# KiCad board JumperlessV5r8.kicad_pcb (continued)
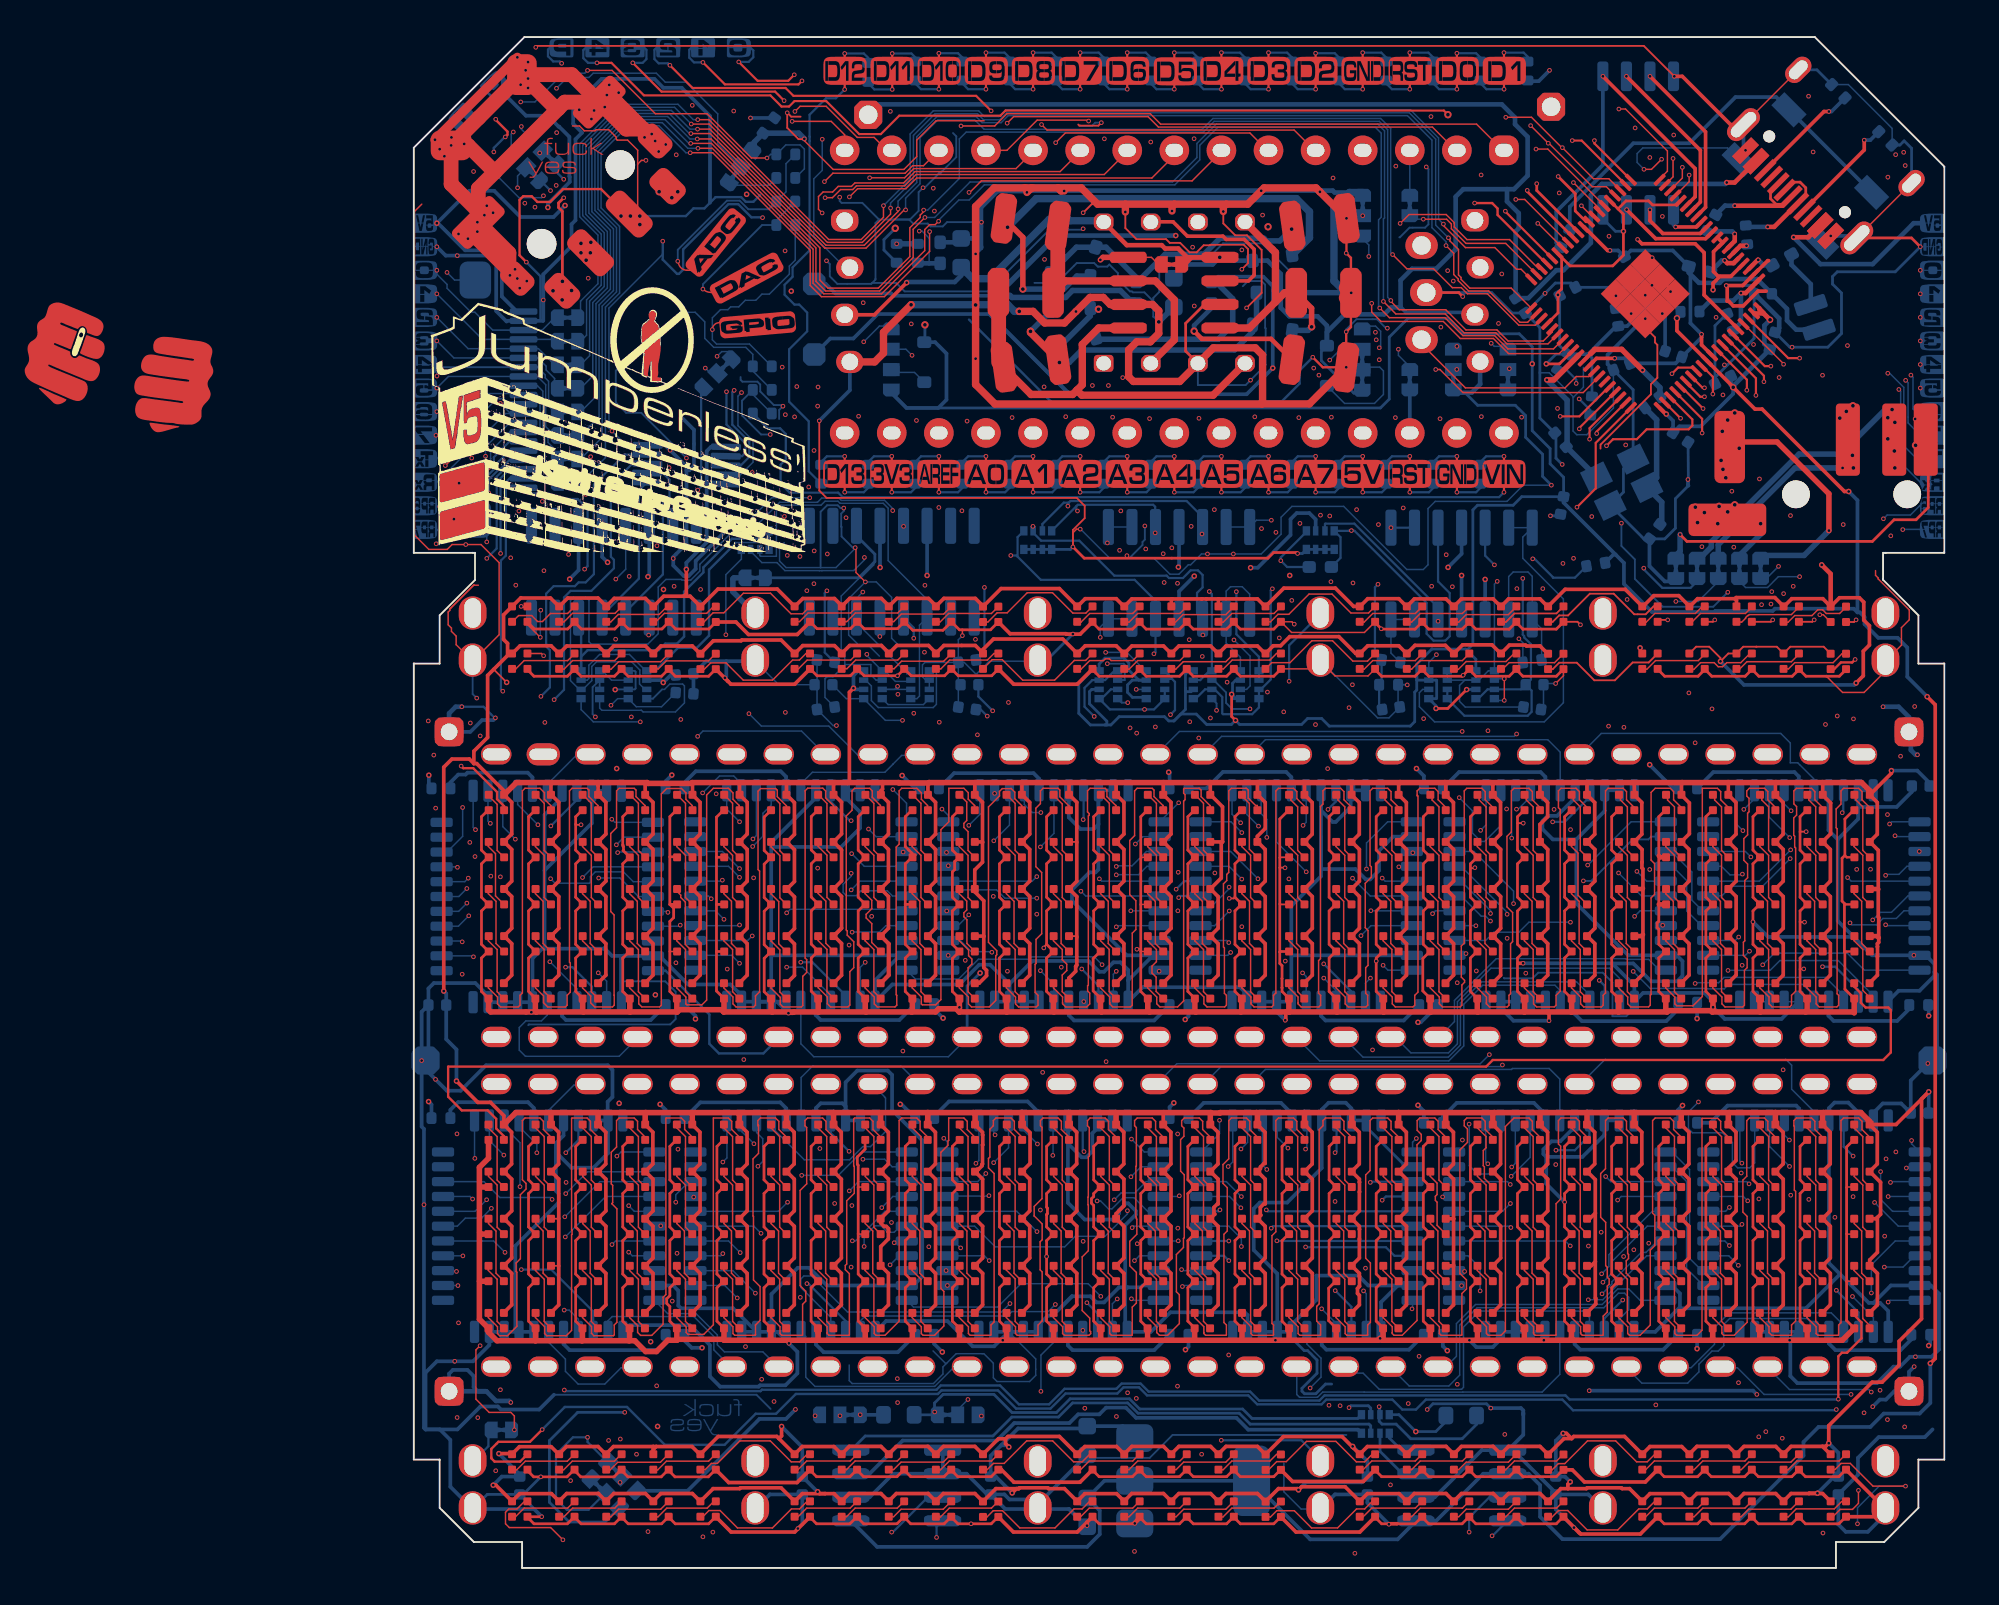
[diagram p0: board, top side]
## Routing (per net, layer and track width the routed paths; a pad name or vN(x,y) marks a point on that pad's centre or on a via; arc(x,y) is an arc through that point) (continued)
  Top w0.4: 43.81,73.54 44.98,73.54 v1(45.71,74.26) 45.86,74.42 48.66,74.42 v1(48.87,74.21) v1(50.31,72.78) ; 43.81,73.54 41.02,73.54 ; 43.81,73.54 43.66,73.39 v1(43.66,73.14) ; 33.35,74.42 33.31,74.42 v1(33.07,74.18) ; 33.35,74.42 32.96,74.42 ; 33.35,74.42 34.75,74.42 ; 41.02,73.54 38.38,73.54 ; 41.02,73.54 40.9,73.42 v1(40.9,73.17) ; 38.38,73.54 36.88,73.54 36,74.42 34.75,74.42 ; 38.38,73.54 v1(38.38,73.12) ; U9.3 37.56,68.13 37.19,68.51 36.47,68.51 v1(35.71,67.75) 35.1,67.13 34.03,67.13 33.4,67.76 v3(32.66,67.76) ; U9.3 39.84,68.13 40.18,67.79 40.18,66.57 39.73,66.12 38.99,66.12 38.56,65.68 38.56,64.24 38.81,63.98 41.32,63.98 U1.3 43.13,65.79 45.39,65.79 45.78,65.4 45.78,62.81 45.75,62.77 ; U9.3 38.21,68.13 38.2,68.12 ; C6.1 48.3,62.77 45.75,62.77 ; v1(35.08,74.25) 34.91,74.25 34.75,74.42 ; 32.96,74.42 32.97,74.43 ; 32.96,74.42 31.31,74.42 30.3,73.41 v3(30.3,68.1) 30.3,63.81 31.35,62.77 45.74,62.77 45.75,62.77 ; J10.4 24.86,65.03 25.33,65.51 25.33,66.63 v3(26.82,68.11)
  Top w0.8: 50.29,68.49 v1(50.56,68.76) 50.29,69.03
  In1.Cu w0.08: v1(62.93,50.86) 56.92,50.86 56.46,51.32 54.91,51.32 54.02,50.42 48.47,50.42 48,50.89 v1(47.49,50.89) ; v1(54.61,75.55) 54.45,75.39 21.93,75.39 21.07,76.25 v1(21.07,77.07) 21.06,77.07 20.32,76.32 16.37,76.32 15.79,75.75 12.97,75.75 12.85,75.87 12.55,75.87 v1(12.52,75.9) ; v1(20.04,46.13) 20.75,45.42 v1(22.8,45.42) ; v1(50.63,47.62) 50.17,47.62 48.9,48.9 ; v3(11.68,72.9) 10.49,72.9 10.06,72.47 9.6,72.47 7.52,70.39 2.1,70.39 v1(1.24,71.24) ; v1(29.59,50.27) 30.09,50.27 v1(30.29,50.07) ; v1(29.56,57.01) 29.56,57.06 29.44,57.18 v1(28.32,57.18) ; v1(23.81,55.02) 23.85,55.02 23.87,55.03 23.87,55.04 24.19,55.36 35.25,55.36 v1(35.55,55.06) ; v1(61.59,47.69) 59.73,47.69 v1(58.82,46.78) ; v1(6.82,50.18) 5.78,50.18 5.53,49.93 4.82,49.93 4.82,49.99 4.67,50.14 4.42,50.14 3.18,48.9 3.35,48.72 37.04,48.72 37.2,48.56 79.04,48.56 79.38,48.9
  In1.Cu w0.1: v1(37.41,48.76) 37.4,48.76 37.2,48.56 ; 3.18,48.9 5.12,50.84 10.84,50.84 ; 73.99,6.28 73.99,6.81 v1(73.81,6.99) ; 73.99,6.28 66.07,6.28 65.48,6.87 63.72,6.87 63.11,6.26 50.29,6.26 49.75,6.8 48.06,6.8 47.4,6.13 v1(42.49,6.13) ; 73.99,6.28 77.62,6.28 78.46,7.12 80.34,7.12 80.67,6.79 80.67,5.27 79.38,3.97 79.38,3.18 ; 75.81,51.12 73.5,51.12 ; 75.81,51.12 v1(77.79,51.12) 78.2,51.12 79.38,49.94 79.38,48.9 ; 75.81,51.12 v1(75.53,51.12) ; 73.5,51.12 v1(73.3,51.12) ; 73.5,51.12 70.37,51.12 ; 28.02,72.75 28.16,72.9 28.42,72.9 28.57,72.75 30.43,72.75 v1(30.62,72.57) 31.24,71.95 34.97,71.95 v1(36.1,73.08) ; 28.02,72.75 28.02,73.16 28.03,73.17 v1(28.08,73.17) ; 28.02,72.75 27.74,72.47 27.38,72.47 27.14,72.71 25.76,72.71 24.75,71.71 21.98,71.71 21.1,72.58 19.04,72.58 v1(18.81,72.81) ; v1(41.23,37.51) 42.72,37.51 42.95,37.74 43.33,37.74 43.41,37.66 45.85,37.66 46.2,37.31 46.23,37.31 46.67,36.87 47.39,36.87 47.52,37 47.63,37 47.63,37.11 v1(46.99,37.75) ; v1(3.39,46.91) 4.23,46.91 5.25,45.89 v1(9.8,45.89) 14.27,45.89 v1(14.4,45.75) ; v1(38.51,46.66) 38.7,46.85 42.69,46.85 v1(43.3,46.24) 43.37,46.32 v1(45.1,46.32) 46.32,46.32 48.9,48.9 ; 10.84,50.84 10.84,50.13 v1(10.89,50.08) ; 10.84,50.84 11.24,51.25 15.99,51.25 16.4,50.84 17.06,50.84 17.52,50.39 24.17,50.39 24.32,50.54 32.22,50.54 32.4,50.36 v1(35.55,50.36) ; v1(70.17,51.12) 70.37,51.12 ; 70.37,51.12 v1(67.63,51.12) ; v1(54.86,78.26) 54.48,78.65 37.57,78.65 37.47,78.75 31.45,78.75 31.37,78.82 25.98,78.82 v1(25.7,78.54) ; v1(66.79,70.65) 66.51,70.94 65.34,70.94 v1(64.47,71.81) 65.53,72.88 v1(67.35,72.88) ; 65,50.15 65,50.47 65.5,50.97 ; v1(19.91,62.65) 19.73,62.46 19.73,61.87 19.8,61.79 21.8,61.79 v1(21.87,61.86)
  In1.Cu w0.13: v3(11.18,72.9) 11.13,72.95 10.57,72.95 10.09,72.47 6.06,72.47 v1(3.22,75.3)
  In1.Cu w0.15: 11.94,6.26 12.01,6.18 v1(12.01,6.13) ; 11.94,6.26 16.87,6.26 17.48,6.87 19.18,6.87 19.83,6.21 32.36,6.21 32.97,6.81 34.44,6.81 35.15,6.1 42.47,6.1 v1(42.49,6.13) ; 11.94,6.26 10.13,6.26 9.8,6.59 4.55,6.59 3.81,7.32 2.57,7.32 1.88,6.64 1.88,4.45 3.16,3.18 3.18,3.18 ; 64.14,3.18 55.79,3.18 53.77,5.19 51.44,5.19 50.85,4.6 48.23,4.6 47.93,4.91 34.42,4.91 34.15,4.64 18.07,4.64 17.8,4.91 v1(6.85,4.91) 7.05,4.71 v1(8.46,4.71) ; v1(70.79,69.15) 70.23,68.59 68.02,68.59 v1(67.78,68.83) ; J1.2 50.58,68.77 v1(50.56,68.76)
  In1.Cu w0.2: v1(49.96,8.75) 50.42,9.2 52.43,9.2 53.09,8.54 v1(54.66,8.54) ; v1(67.63,51.12) 65.65,51.12 65.5,50.97 ; 65,50.15 65,49.76 64.14,48.9
  In1.Cu w0.25: 3.18,3.18 79.38,3.18
  In2.Cu w0.08: v1(67.3,75.96) 67.3,75.56 67.3,75.56 ; v1(3.22,75.3) 1.75,73.83 1.75,71.75 v1(1.24,71.24) 1.24,70.57 1.57,70.24 1.55,70.21 1.55,59.87 1.35,59.67 1.35,59.04 1.57,58.81 1.8,58.81 ; v1(29.59,50.27) 29.59,56.98 v1(29.57,57.01) ; 1.8,58.81 1.83,58.78 ; 1.8,58.81 2.51,58.81 2.74,58.58 2.74,58.33 2.51,58.1 2.24,58.1 1.85,57.72 1.85,56.8 1.73,56.67 1.73,56.22 1.85,56.09 2.29,56.09 2.69,56.5 2.69,57.28 3.13,57.72 3.13,59.37 2.59,59.9 2.59,70.57 3.4,71.38 3.4,71.64 2.95,72.09 2.95,73.06 4.32,74.43 v1(4.32,76.35) ; v1(47.49,50.89) 48.9,49.49 48.9,48.9 ; 79.38,48.9 79.38,47.58 78.84,47.05 78.84,45.4 79.45,44.79 79.45,44.77 80.92,43.3 80.92,40.88 ; 67.34,25.31 67,25.65 67,26.72 67.02,26.74 ; v3(12.19,72.9) 12.19,72.78 v1(13.43,71.54)
  In2.Cu w0.1: v1(62.93,50.86) 64.14,49.65 64.14,48.9 ; 53.38,64 53.38,65.94 53.31,66.01 53.31,67.48 J1.2 53.36,70.03 53.36,72.31 54.13,73.08 54.13,75.06 v1(54.61,75.55) 54.86,75.8 v1(54.86,78.26) ; 73.92,58.88 73.65,58.6 73.65,57.35 v1(74.25,56.75) 74.13,56.62 74.13,52.78 74.38,52.53 74.38,51.77 73.94,51.77 v1(73.3,51.12) ; v1(3.39,46.91) 2.87,46.38 2.87,44.41 2.18,43.72 2.11,43.72 ; v1(42.09,77.07) 41.79,77.37 40.23,77.37 v1(39.75,76.89) 39.28,77.37 37.55,77.37 v1(37.25,77.07) 37.08,77.23 v1(37.08,77.93) ; 67.02,26.74 67.31,27.03 68.57,27.03 69.12,27.58 69.12,28.87 70.08,29.83 v1(70.08,30.23)
  In2.Cu w0.13: v1(4.42,78.12) 4.42,78.06 4.39,78.06 ; 39.68,64.19 v1(39.68,61.98) 39.68,60.84 39.84,60.68 39.84,60.21 39.84,60.21 39.84,57.22 39.84,57.22 39.84,56.59 38.72,55.48 38.72,48.03 38.47,47.78 38.51,47.74 v1(38.51,46.66) ; v1(3.22,75.3) 3.22,75.8 3.25,75.83 3.25,77.84 4.1,77.84 4.32,78.06 5.26,78.06 6.58,79.38 v1(6.58,82)
  In2.Cu w0.15: v1(61.31,56.74) 61.94,57.37 v1(61.94,59.5) 61.36,58.92 v1(61.36,58.39) ; J9.4 57.52,66.12 v1(58.51,67.11) 58.61,67.21 58.61,68.4 58.38,68.63 56.65,68.63 v1(56.58,68.56) ; v1(35.55,55.06) v1(35.55,50.36)
  In2.Cu w0.2: v1(74.21,12.28) 74.21,9.9 73.66,9.35 v1(72.44,9.35) ; v1(60.95,12.28) 61.62,11.61 61.62,10.07 62.13,9.56 v1(63.4,9.56) ; 0.89,12.73 1.18,13.02 v1(1.18,40.97) 1.18,43.34 0.91,43.34 0.28,43.97 0.38,44.08 0.38,45.7 1.18,46.5 1.18,46.9 3.18,48.9 ; v1(67.99,80.43) 67.3,79.75 67.3,69.31 v1(67.78,68.83) 67.76,68.8 67.76,67.24 68.72,66.27 v1(68.72,58.69) 67.63,57.6 v1(67.63,51.12) ; 79.38,48.9 79.38,47.71 80.63,46.45 v1(80.95,46.45) 81.44,46.45 82.11,45.79 82.11,44.98 82.16,44.92 82.16,7.04 79.38,4.25 79.38,3.18 ; 6.99,52.89 6.81,52.72 6.81,50.19 v1(6.82,50.18) ; 3.18,3.18 2.25,4.11
  In2.Cu w0.3: 21.63,73.7 21.63,76.51 v1(21.07,77.07)
  In2.Cu w0.4: v1(38.38,73.12) 38.38,73.24 38.33,73.29 38.33,73.87 ; v1(37.25,77.07) 37.25,74.08 37.03,73.87 ; 38.33,73.87 41.33,73.87 ; 38.33,73.87 37.03,73.87 ; 41.33,73.87 40.9,73.44 v1(40.9,73.17) ; 41.33,73.87 43.66,73.87 ; v1(43.66,73.14) 43.66,73.87 ; 43.66,73.87 48.01,73.87 49.94,71.94 49.94,69.38 v1(50.56,68.76) ; 37.03,73.87 36.02,73.87 ; U1.3 41.52,64.19 v1(38.24,64.19) 36.04,64.19 35.54,63.69 v1(34,63.69) 30.71,63.69 30.3,64.09 v3(30.3,68.1) 30.3,69.27 30.45,69.43 30.45,72.33 31.99,73.87 36.02,73.87 ; 36.02,73.87 35.46,73.87 v1(35.08,74.25)
  Bottom w0.08: 46.93,5.66 46.93,4.11 47.86,3.18 48.9,3.18 ; D70.21 D70.18 ; v1(61.59,47.69) 61,47.69 C24.2 60.93,46.42 C23.2 ; 33.66,48.9 31.04,48.9 30.37,48.23 30.29,48.23 29.69,48.83 C45.2 ; v1(23.81,55.02) 23.82,55 23.82,55 22.77,53.94 20.08,53.94 19.73,54.3 19.73,55.03 19.98,55.29 ; v1(13.43,71.54) 13.43,70.84 10.53,67.94 10.53,61.47 v1(10.69,61.3) 11.46,60.54 U1806.10 ; R28.2 77.37,79.99 79.74,77.63 R25.2 ; C45.2 C42.2 ; C45.2 29.37,50.05 v1(29.59,50.27) ; C45.2 27.57,48.83 27.43,48.7 27.43,48.06 27.61,47.88 RN19.2 RN19.3 ; RN6.4 58.38,46.78 v1(58.82,46.78) ; I1.43 37.73,42.28 ; C1807.2 19.68,47.62 18.42,48.9 ; 38.62,54.47 39.89,54.47 40.78,53.59 41.27,53.59 41.77,54.09 41.9,54.09 42.49,54.68 v1(42.81,54.68) v1(44.21,54.68) 45.71,54.68 46.78,55.75 46.78,56.66 47.36,57.24 50.16,57.24 53.56,53.84 54.45,53.84 54.7,54.09 54.7,57.12 55.09,57.51 58.97,57.51 59.84,58.39 v1(61.36,58.39) ; 38.62,54.47 37.51,54.47 35.97,56.02 v1(35.94,56.02) ; 38.62,54.47 38.58,54.47 v1(38.47,54.59) ; v1(6.85,51.65) 6.82,51.62 v1(6.82,50.18) ; 62.55,63.14 63.09,63.67 63.09,64.74 ; 62.55,63.14 61.24,64.45 60.74,64.45 ; 62.55,63.14 62.53,63.11 62.53,61.31 62.72,61.11 63.27,61.11 64.7,62.54 C41.2 ; 25.11,49.17 24.5,49.78 23.99,49.78 23.46,50.31 23.46,52.27 v1(24.36,53.17) 24.94,53.17 25.77,52.34 25.77,50.13 26.13,49.78 ; v1(58.82,47.95) 58.34,47.95 58.31,47.92 ; 28.73,11.03 28.54,10.84 28.54,10.45 28.03,9.94 23.65,9.94 23.49,10.1 23.49,10.94 ; 28.73,11.03 29.25,11.55 30.75,11.55 31.26,11.04 31.26,10.25 31.46,10.05 33.21,10.05 33.54,10.38 33.54,11.27 J6.20 ; 28.73,11.03 28.68,11.03 28.01,11.7 ; v1(22.8,45.42) 22.61,45.42 C1806.2 C44.2 ; JP13.1 67.64,53.2 ; SW1.1 70.85,76.57 66.29,76.57 65.98,76.27 65.98,75.79 v1(66.35,75.42) ; 48.9,48.9 48.93,48.9 51.99,45.84 52.6,45.84 C46.2 53.09,46.51 R82.2
  Bottom w0.1: v1(37.08,77.93) 36.75,77.93 36.58,77.76 35.99,77.76 35.97,77.78 ; 33.48,69.29 34.69,69.29 35.76,70.36 36.7,70.36 36.89,70.17 37.41,70.17 37.52,70.28 37.98,69.82 37.98,69.48 38.63,68.83 38.74,68.83 38.79,68.78 39.41,68.78 40.06,68.13 40.06,67.31 v3(40.18,67.19) 39.9,67.47 39.89,67.47 39.89,68.48 40.21,68.8 40.21,69.87 40.55,70.21 41.17,70.21 41.5,70.55 42.77,70.55 43.65,71.43 45.74,71.43 47.61,69.56 D68.1 ; v1(45.1,46.32) 44.14,46.32 43.81,46.65 43.81,47.21 43.15,47.88 RN17.2 ; 21.94,53.94 21.94,56.95 22.29,57.3 22.87,57.3 23.02,57.15 v1(23.19,57.15) 23.19,56.99 23.05,56.85 23.05,56.15 23.07,56.13 23.07,55.62 23.68,55.02 v1(23.81,55.02) ; 44.71,69.12 44.99,69.39 45.72,69.39 45.92,69.2 45.92,66.87 45.95,66.84 45.95,64.86 v1(45.13,64.05) 44.87,63.78 42.3,63.78 42.29,63.79 U1.3 ; 19.71,61.96 19.71,62.44 v1(19.91,62.65) 19.85,62.71 19.42,62.71 18.69,63.44 18.69,63.82 18.53,63.97 17.72,63.97 17.63,64.07 17.63,64.22 ; RN14.4 38.18,46.66 v1(38.51,46.66) ; v1(9.8,45.89) 9.64,46.04 9.64,47.5 RN10.2 RN10.3 ; 25.69,72.71 26.76,72.71 27.23,73.18 27.23,74.19 v1(27.47,74.43) 27.56,74.43 28.35,75.22 28.35,75.24 28.43,75.24 29.26,76.08 29.26,77.2 29.08,77.38 ; 25.69,72.71 25.09,72.71 ; 25.69,72.71 26.71,72.71 26.93,72.49 27.72,72.49 27.87,72.34 28.53,72.34 28.76,72.57 30.61,72.57 v1(30.62,72.57) 30.62,72.37 30.59,72.34 ; v1(36.1,72.21) 36.05,72.16 35.32,72.16 35.11,72.37 34.49,72.37 30.96,68.84 26.48,68.84 26.02,69.29 24.72,69.29 ; 38.62,54.47 39.3,55.16 39.3,55.32 39.43,55.45 v1(39.43,56.19) ; v1(65.14,56.34) 65.14,55.11 65.86,54.38 65.86,53.33 67.36,51.83 70.09,51.83 v1(70.87,52.61) ; 24.72,69.29 24.9,69.47 24.9,72.53 25.09,72.71 ; 24.72,69.29 24.67,69.24 22.84,69.24 22.44,69.65 22.44,70.31 v1(22.26,70.49) ; 25.09,72.71 24.19,73.61 23.07,73.61 22.97,73.71 v1(22.97,73.92) ; 6.17,29.27 6.21,29.31 13.83,29.31 14.12,29.6 14.12,31.07 13.56,31.63 11.2,31.63 ; v1(52.51,66.85) 52.49,66.88 52.41,66.88 51.95,67.34 50.84,67.34 50.29,66.78 v1(50.29,66.66) ; RN17.4 43.3,46.62 v1(43.3,46.24) ; 50.3,7.17 40.93,7.17 39.69,5.94 36.48,5.94 C7.2 ; C26.12 65.83,30.19 65.4,29.75 64.66,29.75 64.65,29.76 64.65,31.57 64.13,32.1 60.65,32.1 60.34,31.79 58.82,31.79 58.79,31.82 ; v1(3.39,46.91) 3.18,47.13 3.18,48.9 ; 7.56,9.34 18.48,9.34 19.24,8.58 ; v1(53.59,47.62) 53.58,47.62 R82.2 ; v1(37.41,48.76) 38.29,48.76 38.34,48.71 38.34,47.88 RN14.2 ; v1(54.61,75.55) 54.73,75.43 54.73,72.45 54.55,72.27 53.71,72.27 53.19,71.75 53.16,71.75
  Bottom w0.13: v1(6.07,70.42) 6.83,69.65 6.83,67.25 J5.2 ; v1(13.43,71.54) 13.43,70.55 14.2,69.78 14.3,69.78 14.53,70.01 14.53,71.1 16.97,73.54 17.5,73.54 18.21,72.83 18.8,72.83 v1(18.81,72.81) ; v1(4.94,77.17) 4.91,77.17 4.32,76.57 v1(4.32,76.35) ; 18.69,74.04 18.31,73.67 17.91,73.67 17.66,73.92 16.28,73.92 15.67,73.31 15.09,73.31 14.68,72.9 v3(12.19,72.9) ; v1(48.49,65.29) 47.78,64.57 47.78,63.86 46.81,62.9 34.37,62.9 29.95,67.32
  Bottom w0.15: C39.2 70.18,66.99 C19.2 70.18,64.19 72.29,66.3 C25.2 72.29,69.02 72.16,69.15 v1(70.79,69.15) ; K1.2 53.52,21.63 51.37,23.78 K1.43 ; v1(81.25,71.24) 79.9,69.89 76.78,69.89 76.52,69.64 76.52,69.23 77,68.75 77,66.56 76.27,65.83 v1(74.34,65.83) 74.22,65.83 C16.2 ; C37.2 59.24,67.67 58.14,68.77 56.7,68.77 ; C37.2 60.95,68.67 ; C37.2 60.74,66.89 60.74,62.01 C13.2 61.6,61.14 61.6,59.84 v1(61.94,59.5) ; v1(61.36,58.39) 60.88,58.86 60.88,60.05 59.97,60.97 59.97,62.14 59.41,62.69 57.38,62.69 56.7,63.37 JP12.1 ; 33.66,48.9 34.09,48.9 v1(35.55,50.36) ; v1(6.85,4.91) 5.9,3.97 C30.2 ; J2.S1 80.78,76.55 80.38,76.95 80.16,76.73 R25.2 ; C30.2 6.9,2.78 v1(6.9,2.76) ; C30.2 3.96,3.97 3.18,3.18 ; v1(47.67,54.7) 47.93,54.7 RN15.4 RN15.1 ; C21.2 61.76,56.74 v1(61.31,56.74) ; v1(61.02,68.73) 61.57,69.29 62.43,69.29 C20.2 66,69.06 v1(66.42,68.63) ; J2.S1 75.68,80.78 R28.2 ; 49.5,9.91 49.17,9.91 48.65,9.39 48.04,9.39 47.9,9.53 47.9,9.68 48.72,10.5 48.72,11.21 48.21,11.72 48.02,11.72 47.37,12.37 K1.18 ; RN18.4 RN18.1 35.42,54.92 v1(35.55,55.06) ; C41.2 65.77,63.53 Y1.2 65.24,59.27 65.24,58.01 Y1.4 66.34,55.49 C14.2 67.47,55.49 68.05,56.07 68.05,57.66 68.75,58.36 C18.2 ; v1(54.66,8.54) 54.97,8.85 57.86,8.85 v1(58.09,8.62) ; 56.7,68.77 J1.2 ; 56.7,68.77 56.58,68.65 v1(56.58,68.56)
  Bottom w0.2: v1(61.23,29.51) 59.31,29.51 58.63,30.19 C26.21 C26.18 ; 78.73,14.29 79.67,15.23 H1.10 81.82,15.23 82.26,14.79 82.26,11.78 81.87,11.39 v1(80.99,11.39) 80.7,11.39 80.16,10.85 79.81,10.85 78.92,9.96 74.63,9.96 74.24,10.35 74.24,12.25 H1.18 ; 78.73,14.29 78.48,14.29 76.93,15.84 ; 78.73,14.29 79.09,14.29 79.52,13.85 H1.12 ; 77.66,34.03 73.04,34.03 v1(72.23,34.84) ; 77.66,34.03 76.8,34.89 76.8,39.29 ; 77.66,34.03 78.66,33.04 v1(80.91,33.04) 81.55,33.04 82.02,32.57 82.02,32.13 ; C8.2 36.29,2.22 35.34,3.18 ; G1.10 67.86,15.23 68.29,14.8 68.29,14.06 ; 7.05,33.39 10.25,33.39 10.28,33.42 10.69,33.01 A2.10 13.25,33.01 14.79,31.46 17.09,31.46 17.68,30.87 B1.21 B1.18 ; 7.05,33.39 7.05,37.61 ; 7.05,33.39 6.93,33.39 6.4,32.87 A2.18 ; 62.7,39.29 62.7,35.83 65.5,33.04 68.11,33.04 68.43,32.72 68.43,31.92 68.14,31.63 66.74,31.63 65.77,32.6 64.64,32.6 64.63,32.61 ; 62.7,39.29 61.43,39.29 60.88,39.84 60.88,40.28 61.15,40.56 61.66,40.56 62.63,41.53 C26.40 ; 62.7,39.29 64.23,40.82 C26.42 C26.43 ; 7.66,22.42 8.5,21.58 9.69,21.58 10.48,22.36 E1.43 ; 7.66,22.42 7.66,20.34 7.81,20.18 7.81,19.7 5.48,17.37 5.48,12.93 E1.19 ; 7.66,22.42 7.66,22.9 8.08,23.32 E1.40 ; v1(21.87,61.86) 23.52,63.51 J10.4 ; v1(63.4,9.56) 72.24,9.56 v1(72.44,9.35) ; A2.18 A2.21 4,30.86 3.32,31.54 1.08,31.54 0.79,31.24 C36.2 ; A2.18 6.4,30.02 v1(6.34,29.96) ; v1(62.58,2.18) 61.59,3.16 C28.2 ; C29.2 30.92,3.97 29.84,5.05 ; C29.2 31.9,3.18 35.34,3.18 ; C29.2 31.86,3.97 32.13,3.69 33.92,3.69 C7.2 ; I1.42 36.93,40.1 36.67,39.84 35.96,39.84 35.33,40.47 I1.40 ; I1.42 I1.43 ; I1.42 36.92,41.93 36.92,37.66 36.77,37.51 36.44,37.51 35.5,36.57 35.5,35.98 38.45,33.03 I1.10 39.88,33.03 38.53,31.68 ; v1(6.9,2.76) 6.49,3.18 3.18,3.18 1.97,4.38 1.97,6.9 1.4,7.47 0.64,7.47 ; 16.86,48.9 18.42,48.9 ; 16.86,48.9 16.86,48.07 v1(16.78,48) ; 16.86,48.9 15.77,48.9 15.1,48.22 C15.2 C10.2 ; v1(46.47,12.28) 46.57,12.37 K1.19 46.57,15.87 45.31,17.14 45.31,19.37 45.64,19.7 47.11,19.7 48.97,21.56 K1.40 48.97,24.71 49.34,25.08 50.27,25.08 50.57,24.78 K1.42 K1.43 ; 7.05,37.61 7.05,40.61 8,41.56 A2.40 ; 7.05,37.61 9.6,40.16 A2.42 A2.43 ; 76.8,39.29 77.9,40.39 77.9,41.04 ; 76.8,39.29 76.3,39.79 76.3,41.94 ; 35.5,14.65 34.48,13.63 34.48,13.61 34.21,13.61 33.68,13.08 J6.18 J6.21 ; 35.5,14.65 34.97,14.11 ; 35.5,14.65 36.49,14.65 36.82,14.32 37.23,14.32 38.04,15.13 38.5,15.13 ; 38.53,31.68 38.53,32.24 38.12,32.66 37.74,32.66 37.23,32.15 36.97,32.15 36.39,32.73 33.37,32.73 32.13,31.49 32.13,31.18 ; 38.53,31.68 I1.12 39.31,31.31 44.56,31.31 44.93,30.94 L1.21 L1.18 47.33,33.06 ; 29.84,5.05 29.81,5.08 U4.2 25.85,5.08 24.58,3.81 U4.6 ; 29.84,5.05 28.92,5.05 28.54,5.43 U4.1 ; 32.13,31.18 I1.20 ; 32.13,31.18 32.13,31.48 31.08,32.53 30.5,32.53 29.43,31.46 25.81,31.46 B1.12 24.88,31.68 26.23,33.03 B1.10 19.28,33.03 19.28,33.04 ; E1.18 E1.21 4.08,12.02 3.2,11.14 v1(2.21,11.14) 1.24,11.14 0.64,10.53 0.64,7.47 ; 19.28,33.04 19.28,38.88 ; 19.28,33.04 B1.19 ; 19.28,38.88 19.28,39.12 21.68,41.52 B1.40 ; 19.28,38.88 23.05,38.88 24.07,39.89 24.07,40.76 23.28,41.55 B1.42 B1.43 ; 0.64,7.47 0.55,7.55 v1(0.55,19.59) 0.55,23.67 0.42,23.8 v1(0.42,27.36) 0.42,29.99 C36.2 ; 0.64,7.47 2.35,7.47 3.59,8.71 4.54,8.71 4.7,8.54 6.76,8.54 7.56,9.34 ; 68.29,14.06 66.96,12.73 G1.12 ; 68.29,14.06 68.35,14 75.09,14 76.93,15.84 ; 15.98,73.62 15.98,78.29 14.45,79.81 13.46,79.81 12.98,80.3 10.13,80.3 8.6,78.77 8.6,77.88 9.08,77.4 8.72,77.04 8.72,72.67 8.51,72.46 8.51,71.28 6.99,69.76 v1(6.99,68.37) 6.99,67.27 6.97,67.25 J5.2 5.04,67.25 5,67.22 4.45,67.77 4.45,70.47 4.15,70.77 v1(2.35,70.77) 1.72,70.77 v1(1.24,71.24) ; 64.14,3.18 63.34,3.97 C28.2 ; J2.S1 71.72,76.56 v1(71.83,76.45) 71.49,76.1 SW1.1 ; 67.64,53.2 67.47,53.2 66.65,54.02 C14.2 ; v1(66.42,68.63) 66.42,69.21 ; 76.93,15.84 76.32,16.44 H1.40 76.32,24.79 76.63,25.09 77.37,25.09 77.92,24.54 H1.42 H1.43 78.72,24.54 79.23,25.04 80.22,25.04 C35.2 80.74,26.28 v1(81.66,27.2) 82.16,27.7 82.16,31.99 82.02,32.13 ; C32.2 49.69,3.97 48.9,3.18 ; C32.2 53.91,3.97 U3.6 55.06,3.81 57.6,6.35 U3.1 ; C32.2 51.44,3.51 v1(52.59,2.35) ; v1(62.07,19.73) 61.08,20.72 61.08,22.17 ; H1.21 H1.18 ; H1.18 74.66,12.73 v1(74.21,12.28) ; U3.1 59.84,7.18 59.84,8.36 59.84,8.26 59.84,8.49 59.72,8.62 58.04,8.62 v1(58.09,8.62) ; U3.1 59.28,6.35 61.59,4.04 C28.2 ; 82.02,32.13 82.02,31.93 81.21,31.12 80.09,31.12 79.5,30.54 ; G1.43 G1.42 64.21,23.34 63.03,22.17 61.08,22.17 ; I1.21 I1.19 I1.18 ; C36.2 0.79,26.73 v1(1.17,26.34) 1.78,25.73 2.53,25.73 3.9,27.1 10.47,27.1 10.72,26.85 10.72,25.39 10.46,25.13 10.46,24.15 E1.43 ; E1.43 E1.42 ; F5.42 23.29,24.88 23.12,25.05 21.95,25.05 21.69,24.8 F5.40 ; F5.42 F5.43 ; F5.42 23.29,26.19 23.92,26.82 25.57,26.82 25.8,26.59 25.8,24.68 27.42,23.05 27.42,15.71 26.94,15.23 F5.10 22.28,15.23 21.33,16.18 20.71,16.18 19.29,14.77 F5.19 19.61,12.73 v1(20.24,12.11) 20.69,11.65 20.69,10.49 20.04,9.85 18.68,9.85 18.6,9.77 16.52,9.77 15.97,10.33 15.97,12.01 14.89,13.09 11.64,13.09 E1.12 ; 38.37,15 38.37,12.84 J6.12 39.76,12.73 40.81,13.78 44.77,13.78 44.8,13.81 44.97,13.64 K1.21 K1.18 47.37,13.14 48.68,14.45 48.68,15.76 50.94,15.76 51.48,15.23 K1.10 53.07,15.23 52.17,14.33 K1.12 52.17,12.43 v1(52.12,12.38) ; 38.37,15 38.37,18.48 38.95,19.06 38.95,19.25 38.54,19.66 38.41,19.66 38.04,19.29 38.04,19.12 37.71,18.79 36.19,18.79 35.28,19.69 J6.40 35.28,22.89 36.02,22.14 36.27,22.14 36.6,22.47 36.6,23.44 36.88,23.72 J6.42 J6.43 ; 38.37,15 38.5,15.13 ; 48.93,39.41 L1.40 48.93,40.85 49.56,40.23 49.72,40.23 50.53,41.03 L1.42 L1.43 ; 48.93,39.41 48.93,37.3 47.33,35.7 47.33,33.06 ; 48.93,39.41 48.93,37.69 50.79,37.69 51.35,37.13 51.58,37.13 52.06,37.61 52.06,38.68 52.82,39.43 L1.2 ; v1(67.34,67.64) 67.49,67.49 C38.2 ; 38.5,15.13 39.21,15.13 39.31,15.23 J6.10 ; E1.10 13.99,15.23 14.27,14.95 14.27,14.14 14.41,14 17.22,14 F5.20 ; L1.19 46.53,30 v1(47.01,29.53) ; 47.33,33.06 47.36,33.03 L1.10 ; F5.12 25.47,13.31 28.78,13.31 30.15,11.95 31.3,11.95 J6.20 32.08,12.59 v1(31.77,12.28) ; 14.71,59.19 14.71,55.23 14,54.52 v1(14,54.43) 14,54.06 14.56,53.5 14.83,53.5 15.2,53.87 15.2,54.3 16.69,55.79 16.69,56.4 ; 14.71,59.19 14.71,59.39 v1(13.83,60.27) 13.56,60.54 U1806.10 ; 14.71,59.19 14.86,59.19 15.11,59.44 15.11,61.37 14.5,61.98 ; 35.34,3.18 36.31,2.2 ; v1(68.72,58.69) 68.72,58.39 68.75,58.36 ; J2.S1 77.72,71.83 v1(76.43,71.83) 76.08,71.49 SW1.1 ; v1(20.21,29.91) 19.59,30.53 B1.20 ; v1(66.79,70.65) 66,69.86 C40.2 66.46,69.17 v1(66.78,69.17) ; v1(65.66,67.64) 65.39,67.91 C22.2 64.83,68.59 v1(64.84,68.6) ; v1(56.94,12.28) 57.31,11.9 58.2,11.9 58.61,12.32 G1.21 G1.18 61.01,12.34 v1(60.95,12.28) ; 64.63,32.61 65.83,31.41 C26.12 66.3,31 69.61,31 70.08,30.54 v1(70.08,30.23) 70.71,29.6 73.77,29.6 74.7,30.54 ; 64.63,32.61 v1(59.83,32.61) ; 61.08,22.17 60.93,22.32 60.93,22.57 61.36,23 61.83,23 62.61,23.78 G1.40 ; 79.38,3.18 79.38,2.9 78.43,1.95 77.23,1.95 76.84,2.34 C31.2 77.89,5.02 77.89,5.94 79.01,7.05 81.5,7.05 81.92,7.47 ; 78.7,41.94 77.9,41.94 77.9,41.04 ; F5.21 F5.18 ; 77.9,41.04 79.98,41.04 80.8,41.85 C34.2 ; C41.2 64.39,64.91 64.39,65.41 66.34,67.36 v1(66.42,67.36) ; 60.95,68.67 v1(61.02,68.73) ; 18.42,3.18 19.21,3.97 C33.2 20.96,2.36 v1(20.72,2.12)
  Bottom w0.25: 11.35,33.01 11.2,32.86 A2.12 ; 30.59,71.19 30.3,70.9 v1(30.3,70.86) ; 30.59,71.19 30.59,73.36 31.48,74.25 33,74.25 v1(33.07,74.18) 33.17,74.27 49.57,74.27 49.67,74.17 JP10.1 ; 30.59,71.19 30.59,71.25 30.15,71.69 C11.2 29.32,71.48 C27.2 ; C25.2 72.31,68.71 73.64,67.38 73.64,66.85 C16.2 ; J9.4 57.52,63.83 57.06,63.37 JP12.1
  Bottom w0.3: v1(21.07,77.07) 20.76,77.37 R54.1 18.36,76.88 JP11.3 ; v1(50.56,68.76) 50.57,68.77 D68.1 ; v3(11.68,72.9) 11.57,73.01 11.29,73.01 v3(11.18,72.9) ; v3(11.68,72.9) 11.18,73.4 11.05,73.4 ; v3(11.68,72.9) v3(12.19,72.9) ; v3(11.68,72.9) 11.73,72.9 v3(12.19,72.44) ; C9.2 40.98,67.99 v3(40.18,67.19)
  Bottom w0.4: 26.81,68.1 v3(26.82,68.11) 32.05,68.11 32.4,67.76 v3(32.66,67.76) ; v1(50.56,68.76) 50.27,68.76 49.63,69.4 49.63,73.34 50.46,74.17 JP10.1
  vias: v1(0.78,45.67) v1(1.08,43.83) v1(2.34,8.11) v1(2.41,13.22) v1(3.05,45.56) v1(3.02,39.12) v1(5.67,56.99) v1(7.02,53.77) v1(7.07,45.59) v1(9.28,57.89) v1(9.41,69.55) v1(11.62,53.47) v1(11.73,45.89) v1(12.63,1.96) v1(13.12,55.12) v1(14.04,52.93) v1(14.16,76.2) v1(15.02,78.87) v1(17.26,78.56) v1(17.8,27.41) v1(17.89,11.93) v1(19.87,64.75) v1(19.99,56.7) v1(20.03,71.02) v1(20.66,63.71) v1(23.99,62.1) v1(24.24,68.23) v1(26.83,67.08) v1(27.11,61.88) v1(27.57,52.99) v1(27.54,49.38) v1(29.84,61.84) v1(30.3,65.21) v1(30.4,44.92) v1(32.27,62.03) v1(33.92,26.72) v1(34.02,70.56) v1(35.16,62.08) v1(37.34,27.3) v1(37.69,62.05) v1(38.14,57) v1(38.87,0.89) v1(40.42,54.69) v1(40.47,53.14) v1(41.21,35.43) v1(41.21,18.32) v1(42.1,68.05) v1(42.35,61.99) v1(42.34,44.75) v1(42.53,49.15) v1(43.95,11.48) v1(45.36,62.07) v1(45.78,72.95) v1(46.92,46.16) v1(47.36,52.17) v1(47.74,62.03) v1(48.9,56.77) v1(49.29,43.1) v1(49.49,62.05) v1(50.66,53.11) v1(50.76,0.79) v1(51.71,27.93) v1(52.03,56.26) v1(52.97,75.59) v1(52.94,62.03) v1(54.22,11.41) v1(54.47,45.8) v1(54.9,52.94) v1(55.35,61.97) v1(55.69,54.64) v1(56.02,52.91) v1(57.58,62.08) v1(58.68,69.78) v1(59.5,52.81) v1(59.75,62.05) v1(60.89,52.81) v1(61.78,74.14) v1(63.54,56.69) v1(64.44,45.39) v1(65.36,60.56) v1(65.44,52.22) v1(66.66,37.66) v1(67.95,77.27) v1(69.11,44.49) v1(70.02,46.32) v1(70.24,67.44) v1(70.69,64.87) v1(70.61,63.25) v1(71.09,58.06) v1(72.26,65.97) v1(72.58,58.72) v1(73.64,64.19) v1(75.47,76.35) v1(75.98,64.31) v1(76.01,1.88) v1(77.1,56.26) v1(77.33,65.92) v1(77.65,45.78) v1(78.22,8.36) v1(79.66,55.65) v1(80.19,43.77)
